# Altium PCB SAMW25_Xplained_Pro.PcbDoc (part 1 of 9) (continued)
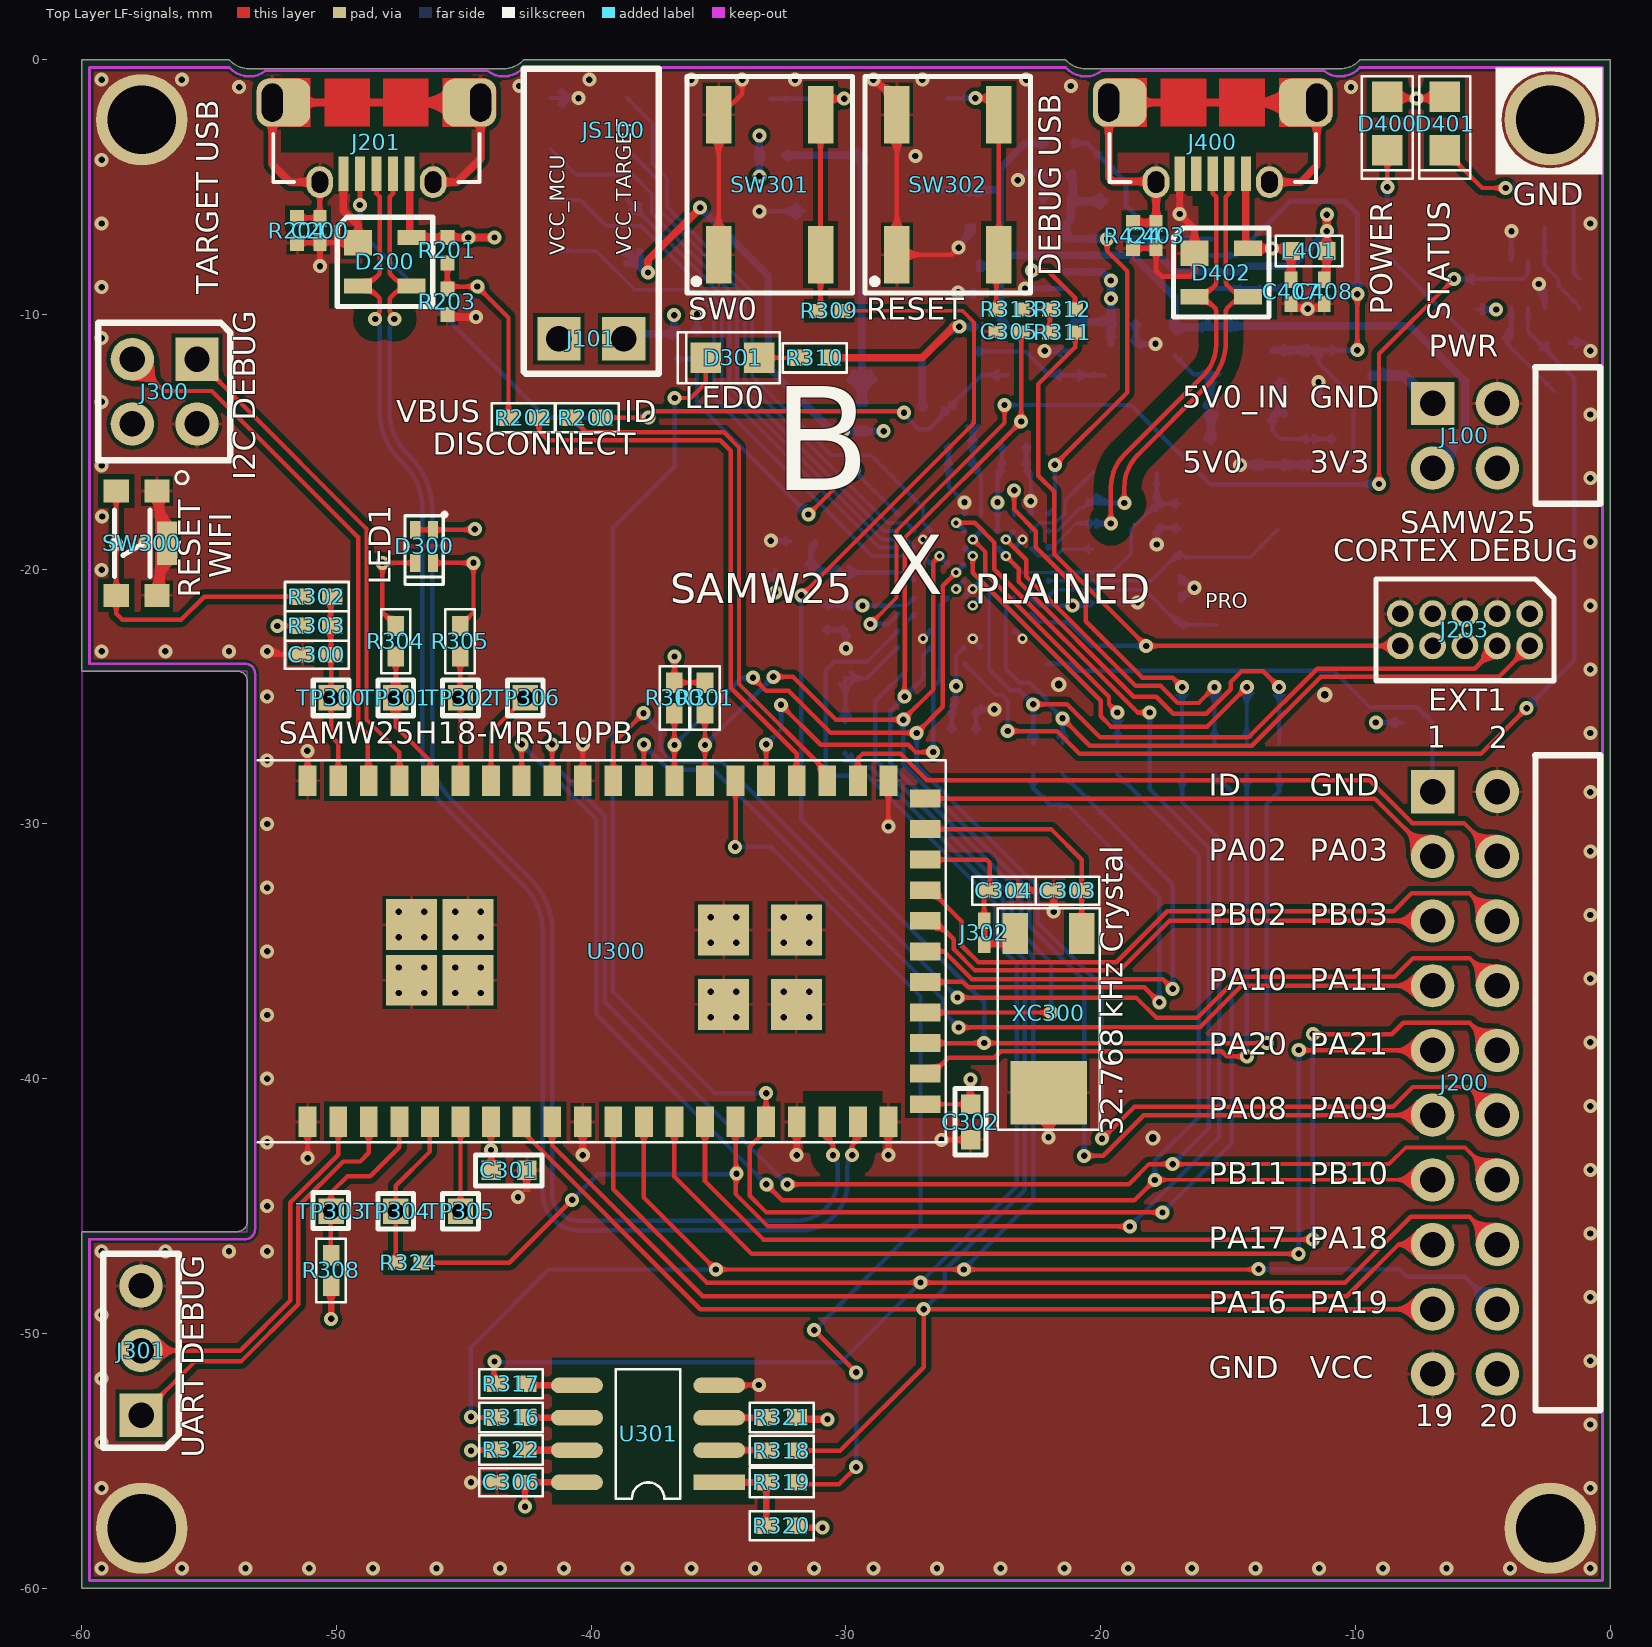
[diagram p0: Top Layer LF-signals view]
## Components (designator, comment, footprint, x,y, rotation, side; value= is the part's Value field where it differs from the comment)
C100 "CAP-NONPOL" AP1-00001 -24.85,-8.625 r270 bottom
C101 "CAP-NONPOL" AP1-00039 -24.975,-5.8 r270 bottom
C102 "CAP-NONPOL" AP1-00053 -21.7,-5.55 r180 bottom
C103 "CAP-NONPOL" AP1-00053 -19.125,-11.15 r0 bottom locked
C104 "CAP-NONPOL" AP1-00039 -28.7,-3.75 r0 bottom
C200 "CAP-NONPOL" AP1-00053 -50.65,-6.703 r90 top locked
C300 "4.7n" AP1-00001 -50.775,-23.35 r180 top
C301 "CAP-NONPOL" AP1-00039 -43.235,-43.6 r0 top
C302 "CAP-NONPOL" AP1-00039 -25.11,-41.7 r270 top
C303 "CAP-NONPOL" AP1-00001 -21.3,-32.615 r180 top
C304 "CAP-NONPOL" AP1-00001 -23.8,-32.615 r0 top
C305 "4.7n" AP1-00053 -23.6,-10.675 r180 top
C306 "100n" AP1-00001 -43.15,-55.85 r180 top
C400 "22p" AP1-00053 -16.9,-21.7 r90 bottom
C401 "22p" AP1-00053 -16.9,-19.8 r270 bottom
C402 "10p" AP1-00053 -17.8,-17.9 r270 bottom
C403 "CAP-NONPOL" AP1-00053 -17.825,-6.9 r90 top
C404 "100n" AP1-00053 -31.675,-18.9 r180 bottom
C405 "Farnell no: 1288200" AP1-00053 -25.5,-15.1 r180 bottom
C406 "1 nF C0G" AP1-00053 -25.5,-16 r180 bottom
C407 "1 nF C0G" AP1-00053 -12.525,-9.1 r270 top
C408 "1 nF C0G" AP1-00053 -11.225,-9.1 r270 top locked
C409 "Farnell no: 1288200" AP1-00053 -23.4,-15.1 r0 bottom
C410 "100n" AP1-00053 -23.4,-16 r0 bottom
C411 "100n" AP1-00053 -19.8,-21.3 r0 bottom
C412 "100n" AP1-00053 -25.375,-25.5 r0 bottom
C413 "100n" AP1-00053 -30,-21.9 r270 bottom
C414 "Farnell no: 1288200" AP1-00053 -30.875,-21.9 r270 bottom
C415 "Farnell no: 1288200" AP1-00053 -25.375,-26.4 r0 bottom
D200 "PRTR5V0U2X" AP4-00001 -49.15,-7.178 r0 top
D300 "LED2_2" AP4-00132 -46.563,-19.1 r270 top
D301 "Yellow" AP4-00013 -34.45,-11.7 r0 top
D400 "Green" AP4-00013 -8.75,-2.5 r90 top
D401 "Yellow" AP4-00013 -6.5,-2.5 r90 top
D402 "PRTR5V0U2X" AP4-00001 -16.316,-7.6 r0 top
E1 "RUBBER FEET" AP8-00192 -9,-4.5 r180 bottom
E2 "RUBBER FEET" AP8-00192 -51,-4.5 r180 bottom
E3 "RUBBER FEET" AP8-00192 -12,-55.5 r180 bottom
E4 "RUBBER FEET" AP8-00192 -48,-55.5 r180 bottom
J100 "HEADER 2x2" AP8-00628 -5.7,-14.76 r270 top locked
J101 "HEADER 1x2" AP8-00367 -40,-10.95 r0 top locked
J200 "HEADER 2x10" AP8-00622 -5.7,-40.16 r270 top locked
J201 "2,000 pieces per reel" AP8-00852 -48.434,-1.675 r180 top locked
J203 "HEADER 2x5" AP8-00257 -5.7,-22.375 r180 top
J300 "HEADER 2x2" AP8-00179 -56.75,-13.025 r270 top locked
J301 "Same as A08-1614 but with 1mm hole for optimal reflow soldering (no misalignment of the component)" AP8-00745 -57.675,-50.675 r90 top locked
J302 "SMD-STRAP_CLOSED" AP8-00595 -24.575,-34.265 r90 top net-tie
J400 "2,000 pieces per reel" AP8-00852 -15.6,-1.675 r180 top locked
JS100 "To be used by request from ESCATEC" AP8-00525 -39.111,-2.766 r0 top
L401 "BLM18PG471SN1" AP3-00005 -11.825,-7.5 r0 top locked
L402 "BLM18PG471SN1" AP3-00005 -32.075,-20 r0 bottom
LABEL1 "PCBA_LABEL" AP8-00317 -25.033,-57.267 r180 bottom
Q100 "MOSFET_P_GSD" AP5-00002 -10.4,-12.35 r0 bottom
Q101 "MOSFET_P_GSD" AP5-00002 -14.3,-11.4 r0 bottom
Q102 "MOSFET_N_GSD" AP5-00002 -14.3,-14.95 r180 bottom
Q400 "Same as 2N7002 but with two MOSFETs in one package" AP5-00001 -3.225,-8.8 r270 bottom
R101 "R2" AP2-00011 -21.7,-3.275 r180 bottom
R103 "R2" AP2-00011 -17.1,-11.1 r90 bottom
R104 "R2" AP2-00011 -10.8,-15.379 r270 bottom
R105 "R2" AP2-00011 -21.7,-4.425 r0 bottom
R106 "R2" AP2-00011 -19.125,-10.275 r180 bottom
R107 "R2" AP2-00011 -12.25,-8.975 r180 bottom
R108 "R2" AP2-00011 -11.775,-15.379 r90 bottom
R109 "R2" AP2-00011 -24.925,-10.975 r270 bottom
R110 "R2" AP2-00011 -26.475,-13.675 r180 bottom
R111 "R2" AP2-00011 -32.9,-3.75 r180 bottom
R112 "R2" AP2-00011 -36.725,-11.25 r90 bottom
R113 "R2" AP2-00011 -35.85,-11.25 r270 bottom
R200 "R2" AP2-00000 -40.175,-14.05 r180 top
R201 "R2" AP2-00011 -45.65,-7.475 r90 top
R202 "R2" AP2-00000 -42.65,-14.05 r0 top
R203 "R2" AP2-00011 -45.65,-9.5 r90 top
R204 "R2" AP2-00011 -51.55,-6.703 r90 top locked
R300 "R2" AP2-00000 -36.735,-25.05 r270 top
R301 "R2" AP2-00000 -35.535,-25.05 r270 top
R302 "R2" AP2-00000 -50.775,-21.075 r0 top
R303 "R2" AP2-00000 -50.775,-22.225 r180 top
R304 "R2" AP2-00000 -47.675,-22.825 r270 top
R305 "R2" AP2-00000 -45.15,-22.825 r270 top
R308 "R2" AP2-00000 -50.215,-47.525 r270 top
R309 "R2" AP2-00011 -30.65,-9.85 r0 top
R310 "R2" AP2-00000 -31.225,-11.7 r0 top
R311 "R2" AP2-00011 -21.5,-10.7 r180 top
R312 "R2" AP2-00011 -21.5,-9.8 r0 top
R313 "R2" AP2-00011 -23.6,-9.8 r0 top
R314 "R2" AP2-00000 -22.65,-27.435 r270 bottom
R315 "R2" AP2-00000 -21.5,-27.435 r270 bottom
R316 "R2" AP2-00000 -43.15,-53.3 r180 top
R317 "R2" AP2-00000 -43.15,-51.975 r180 top
R318 "R2" AP2-00000 -32.525,-54.6 r0 top
R319 "R2" AP2-00000 -32.525,-55.85 r0 top
R320 "R2" AP2-00000 -32.525,-57.55 r180 top
R321 "R2" AP2-00000 -32.525,-53.3 r180 top
R322 "R2" AP2-00000 -43.15,-54.575 r180 top
R324 "R2" AP2-00011 -47.175,-47.225 r180 top
R409 "R2" AP2-00000 -7.576,-26.017 r180 bottom
R410 "R2" AP2-00000 -5.2,-9.2 r270 bottom
R411 "R2" AP2-00000 -4.7,-11.1 r180 bottom
R412 "R2" AP2-00000 -1.2,-9.2 r90 bottom
R413 "R2" AP2-00000 -2.2,-11.1 r180 bottom
R414 "R2" AP2-00000 -19.345,-27.435 r90 bottom
R416 "R2" AP2-00000 -14.265,-27.435 r90 bottom
R417 "R2" AP2-00000 -12.995,-27.435 r90 bottom
R418 "R2" AP2-00000 -16.805,-27.435 r90 bottom
R419 "R2" AP2-00000 -15.535,-27.435 r90 bottom
R420 "R2" AP2-00000 -30.025,-26.6 r270 bottom
R421 "R2" AP2-00011 -20.3,-16.7 r90 bottom
R422 "R2" AP2-00011 -20.3,-18.7 r270 bottom
R423 "R2" AP2-00011 -16.9,-17.9 r90 bottom
R424 "R2" AP2-00011 -18.725,-6.9 r90 top
R425 "R2" AP2-00011 -29.375,-14.075 r90 bottom
SW300 "PUSHBUTTON2" AP8-00274 -57.05,-16.925 r270 top locked
SW301 "Can be ordered in low volumes from Mouser" AP8-00137 -33,-4.9 r90 top
SW302 "Can be ordered in low volumes from Mouser" AP8-00137 -26,-4.9 r90 top
TP300 "TESTPOINT" AP8-00256#1 -50.215,-25.05 r90 top locked
TP301 "TESTPOINT" AP8-00256#1 -47.675,-25.05 r90 top locked
TP302 "TESTPOINT" AP8-00256#1 -45.135,-25.05 r90 top locked
TP303 "TESTPOINT" AP8-00256#2 -50.225,-45.175 r90 top
TP304 "TESTPOINT" AP8-00256#1 -47.675,-45.2 r90 top
TP305 "TESTPOINT" AP8-00256#1 -45.135,-45.2 r90 top
TP306 "TESTPOINT" AP8-00256#1 -42.595,-25.05 r90 top locked
TP307 "TESTPOINT" AP8-00010 -33,-1.5 r270 bottom locked
TP308 "TESTPOINT" AP8-00010 -26,-1.5 r270 bottom locked
TP400 "TESTPOINT" AP8-00010 -41.6,-1.5 r270 bottom locked
TP401 "TESTPOINT" AP8-00010 -38.6,-1.5 r270 bottom locked
TP402 "TESTPOINT" AP8-00010 -41.6,-3.5 r270 bottom locked
TP403 "TESTPOINT" AP8-00010 -41.6,-5.5 r270 bottom locked
TP404 "TESTPOINT" AP8-00010 -38.6,-5.5 r270 bottom locked
TP405 "TESTPOINT" AP8-00010 -41.6,-7.5 r270 bottom locked
TP406 "TESTPOINT" AP8-00010 -38.6,-3.5 r270 bottom locked
TP407 "TESTPOINT" AP8-00010 -38.6,-7.5 r270 bottom locked
U100 "VOLTREG_SOT223_4" AP6-00399 -29.375,-8.85 r270 bottom
U101 "TPS2112" AP6-00054 -18.5,-8 r180 bottom
U102 "STMPS2161" AP6-00087 -22.45,-11.425 r180 bottom
U300 "MR210PA" AP9-00132 -39.735,-35 r90 top locked
U301 "AT25DF081A" AP8-00417 -34.975,-55.85 r90 top
U400 "100 ball VFBGA" AP6-00206 -25.025,-20.775 r90 bottom
XC300 "Farnell order no:1539364" AP7-00044 -22.046,-34.299 r180 top locked
XC400 "12.0MHz" AP7-00039 -14.25,-20.25 r90 bottom

## Footprints (in the part's own frame and the unit in brackets; to place one, negate y for a bottom-side part, rotate by r counter-clockwise, add the part's x,y. Pads: shape width x height; smd on the part's side, far side on the other; paste and mask are expansions set on the pad)
AP1-00001 [mm] "Standard 0402 SMD capacitor footprint"
  rect 0.9x0.6 smd: 1(-0.55,0) 2(0.55,0)
  silkscreen extent -1.25,-0.55 1.25,0.55, body extent -0.5,-0.3 0.5,0.3, height 0.2
AP1-00039 [mil] "Capacitor 0603 Hight 0.8mm"
  rect 30x30 smd: 1(-27.5,0) 2(27.5,0)
  silkscreen extent -52,-24 51,24, body extent -31,-16 32,16, height 12
AP1-00053 [mm] "Chip Capacitor, 2-Leads, Body 1.0x0.5mm, IPC High Density"
  rect 0.65x0.5 smd: 1(-0.475,0) 2(0.475,0)
  body extent -0.5,-0.3 0.5,0.3, height 0.2
AP2-00000 [mm] "Standard 0402 SMD resistor footprint"
  rect 0.8x0.65 smd: 1(-0.6,0) 2(0.6,0)
  silkscreen extent -1.25,-0.58 1.25,0.58, body extent -0.5,-0.3 0.5,0.3, height 0.2
AP2-00011 [mm] "Chip Resistor, 2-Leads, Body 1,0x0,5mm, IPC High Density"
  rect 0.6x0.55 smd: 1(-0.5,0) 2(0.5,0)
  body extent -0.5,-0.3 0.5,0.3, height 0.2
AP3-00005 [mm]
  rect 0.7x0.7 smd: 1(-0.7,0) 2(0.7,0)
  silkscreen extent -1.3,-0.6 1.3,0.6, body extent -0.83,-0.41 0.82,0.41, height 0.8
AP4-00001 [mm]
  rect 1.1x1 smd: 1(0,0)
  rect 1.1x0.6 smd: 2(0,-1.7) 3(2.1,-1.7) 4(2.1,0.2)
  silkscreen extent -0.82,-2.5 2.93,1, body extent -0.13,-2.2 2.23,0.7, height 1.21
AP4-00013 [mm] "0805 diode footprint"
  rect 1.2x1.2 smd: 1(-1.05,0) 2(1.05,0)
  silkscreen extent -2.16,-1 1.85,1, body extent -1,-0.63 1,0.63, height 1.1
AP4-00132 [mm] "LED, Bicolor, 1.6x0.8mm, diffused"
  rect 0.7x0.4 smd: 1(-0.65,0.35) 2(-0.65,-0.35) 3(0.65,0.35) 4(0.65,-0.35)
  silkscreen extent -1.3,-0.75 1.5,0.85, body extent -0.8,-0.4 0.8,0.4, height 0.5
AP5-00001 [mm]
  rect 0.85x0.35 smd: 1(-0.925,0.65) 2(-0.925,0) 3(-0.925,-0.65) 4(0.925,-0.65) 5(0.925,0) 6(0.925,0.65)
  silkscreen extent -1.6,-1.35 1.6,1.35, body extent -1.05,-1 1.05,1, height 0.95
AP5-00002 [mm] "SOT-23 Package"
  rect 1.3x0.6 smd: 1(-1.05,0.95) 2(-1.05,-0.95) 3(1.05,0)
  silkscreen extent -1.95,-1.78 1.95,1.78, body extent -1.25,-1.46 1.23,1.46, height 1
AP6-00054 [mm]
  rect 1.7x0.35 smd: 1(-2.85,0.975) 2(-2.85,0.325) 3(-2.85,-0.325) 4(-2.85,-0.975) 5(2.85,-0.975) 6(2.85,-0.325) 7(2.85,0.325) 8(2.85,0.975)
  silkscreen extent -2.98,1.58 -2.73,1.82, body extent -3.23,-1.55 3.23,1.55, height 1.25
AP6-00087 [mm]
  rect 1.05x0.65 smd: 1(-1.225,0.953) 2(-1.225,0) 3(-1.225,-0.953) 4(1.225,-0.953) 5(1.225,0.953)
  silkscreen extent -2,-1.75 2,1.75, body extent -1.5,-1.5 1.5,1.5, height 1.3
AP6-00206 [mm] "100 ball (10x10 array) VFBGA. Pitch 0.65 mm. Width: 7 mm. Length: 7mm. Height: 1 mm"
  round 0.28 smd: A1(-2.925,2.925) A2(-2.275,2.925) A3(-1.625,2.925) A4(-0.975,2.925) A5(-0.325,2.925) A6(0.325,2.925) A7(0.975,2.925) A8(1.625,2.925) A9(2.275,2.925) A10(2.925,2.925) B1(-2.925,2.275) B2(-2.275,2.275) B3(-1.625,2.275) B4(-0.975,2.275) B5(-0.325,2.275) B6(0.325,2.275) B7(0.975,2.275) B8(1.625,2.275) B9(2.275,2.275) B10(2.925,2.275) C1(-2.925,1.625) C2(-2.275,1.625) C3(-1.625,1.625) C4(-0.975,1.625) C5(-0.325,1.625) C6(0.325,1.625) C7(0.975,1.625) C8(1.625,1.625) C9(2.275,1.625) C10(2.925,1.625) D1(-2.925,0.975) D2(-2.275,0.975) D3(-1.625,0.975) D4(-0.975,0.975) D5(-0.325,0.975) D6(0.325,0.975) D7(0.975,0.975) D8(1.625,0.975) D9(2.275,0.975) D10(2.925,0.975) E1(-2.925,0.325) E2(-2.275,0.325) E3(-1.625,0.325) E4(-0.975,0.325) E5(-0.325,0.325) E6(0.325,0.325) E7(0.975,0.325) E8(1.625,0.325) E9(2.275,0.325) E10(2.925,0.325) F1(-2.925,-0.325) F2(-2.275,-0.325) F3(-1.625,-0.325) F4(-0.975,-0.325) F5(-0.325,-0.325) F6(0.325,-0.325) F7(0.975,-0.325) F8(1.625,-0.325) F9(2.275,-0.325) F10(2.925,-0.325) G1(-2.925,-0.975) G2(-2.275,-0.975) G3(-1.625,-0.975) G4(-0.975,-0.975) G5(-0.325,-0.975) G6(0.325,-0.975) G7(0.975,-0.975) G8(1.625,-0.975) G9(2.275,-0.975) G10(2.925,-0.975) H1(-2.925,-1.625) H2(-2.275,-1.625) H3(-1.625,-1.625) H4(-0.975,-1.625) H5(-0.325,-1.625) H6(0.325,-1.625) H7(0.975,-1.625) H8(1.625,-1.625) H9(2.275,-1.625) H10(2.925,-1.625) J1(-2.925,-2.275) J2(-2.275,-2.275) J3(-1.625,-2.275) J4(-0.975,-2.275) J5(-0.325,-2.275) J6(0.325,-2.275) J7(0.975,-2.275) J8(1.625,-2.275) J9(2.275,-2.275) J10(2.925,-2.275) K1(-2.925,-2.925) K2(-2.275,-2.925) K3(-1.625,-2.925) K4(-0.975,-2.925) K5(-0.325,-2.925) K6(0.325,-2.925) K7(0.975,-2.925) K8(1.625,-2.925) K9(2.275,-2.925) K10(2.925,-2.925)
  silkscreen extent -4.15,-4.15 4.15,4.15, body extent -3.5,-3.5 3.5,3.5, height 1.01
AP6-00399 [mm] "SOT223, 4-Leads, Body 6.7x7.3mm (max), Pitch 2.29mm, IPC Medium Density"
  rect 2.15x0.95 smd paste+0 mask+0.07: 1(-2.9,2.3)
  rect 2.15x0.95 smd mask+0.07: 2(-2.9,0) 3(-2.9,-2.3)
  rect 2.15x3.25 smd mask+0.07: 4(2.9,0)
  silkscreen extent -4.33,-3.6 4.33,3.6, body extent -3.45,-3.25 3.55,3.25, height 1.59
AP7-00039 [mm] "FOX FQ5032B"
  rect 1.6x1.3 smd: 1(-1.9,-1.15) 2(1.9,-1.15) 3(1.9,1.15) 4(-1.9,1.15)
  silkscreen extent -3,-2.1 3,2.1, body extent -2.7,-1.8 2.7,1.8, height 1.2
AP7-00044 [mm]
  rect 1x1.6 smd: 1(-1.3,0) 2(1.3,0)
  rect 3x2.5 smd: 3(0,6.25)
  silkscreen extent -2,-1 2,7.7, body extent -1.5,-0.7 1.5,7.4, height 2.08
AP8-00010 [mm] "Testpad 50mil"
  round 1.27 smd paste-0.635: 1(0,0)
AP8-00137 [mm]
  rect 2.25x1 smd: 1(-2.75,2) 2(2.75,2) 3(-2.75,-2) 4(2.75,-2)
  silkscreen extent -4.25,-3.25 4.25,3.25, body extent -3.4,-3.21 3.4,3.22, height 3.47
AP8-00179 [mm]
  rect 1.7x1.7 / inner round 1.7 / far side rect 1.7x1.7 hole 1: 1(-1.27,1.27)
  round 1.7 hole 1: 2(1.27,1.27) 3(-1.27,-1.27) 4(1.27,-1.27)
  silkscreen extent -2.7,-2.6 2.7,2.58, body extent -2.54,-2.54 2.54,2.54, height 9.42
AP8-00192 [mm]
  silkscreen extent -4,-4 3.83,4, body extent -3.97,-3.99 4,3.99, height 2.79
AP8-00256#1 [mm]
  rect 1x1 / inner round 1 / far side round 1 hole 0.65: 1(0,0)
  silkscreen extent -0.7,-0.7 0.7,0.7, body extent -0.5,-0.5 0.5,0.5, height 1.1
AP8-00256#2 [mm]
  rect 1x1 / inner round 1 / far side round 1 hole 0.65: 1(-0.025,-0.01)
  silkscreen extent -0.7,-0.7 0.7,0.7
AP8-00257 [mm]
  round 1.05 hole 0.65: 1(-2.54,-0.635) 2(-2.54,0.635) 3(-1.27,-0.635) 4(-1.27,0.635) 5(0,-0.635) 6(0,0.635) 7(1.27,-0.635) 8(1.27,0.635) 9(2.54,-0.635) 10(2.54,0.635)
  silkscreen extent -3.5,-2 3.5,2, body extent -3.15,-1.64 3.2,1.79, height 3.88
AP8-00274 [mm] "SMD 4.6X2.8 push button. KMR221G"
  rect 0.9x1 smd: 1(0,0) 2(0,-1.6) 3(4.1,0) 4(4.1,-1.6)
  rect 1.7x0.8 smd: 5(2.05,0.4)
  silkscreen extent -0.77,-1.68 3.35,1.22, body extent -0.25,-2.2 4.35,0.6, height 1.9
AP8-00317 [mm] "Placement area for 18x6mm sticker"
  silkscreen extent 0,0 18,6
AP8-00367 [mm] "1x2 pin header, right angle, 2.54 mm pitch, through-hole"
  rect 1.7x1.7 / inner round 1.7 / far side round 1.7 hole 1: 1(-1.27,0) 2(1.27,0)
  silkscreen extent -2.65,-1.38 2.66,10.6, body extent -2.54,-0.33 2.54,9.99, height 2.55
AP8-00417 [mil]
  rect 24x80 smd: 1(0,0)
  oval 24x80 smd: 2(50,0) 3(100,0) 4(150,0) 5(150,220) 6(100,220) 7(50,220) 8(0,220)
  silkscreen extent -25,60 175,160, body extent -22,-6 171,222, height 57
AP8-00525 [mm] "Jumper 2.54mm, 3D"
  body extent -2.93,-4.07 2.05,1.9, height 2.52
AP8-00595 [mm]
  rect 0.65x0.5 smd: 1(-0.475,0) 2(0.475,0)
  Top Layer LF-signals lines w0.254: -0.175,0 0.2,0
AP8-00622 [mm] "2x10 Right angle 2.54mm THM"
  rect 1.7x1.7 / inner round 1.7 / far side rect 1.7x1.7 hole 1: 1(-11.43,-1.27)
  rect 2.1x2.1 on Top Paste: 1(-11.43,-1.27) 2(-11.43,1.27) 3(-8.89,-1.27) 4(-8.89,1.27) 5(-6.35,-1.27) 6(-6.35,1.27) 7(-3.81,-1.27) 8(-3.81,1.27) 9(-1.27,-1.27) 10(-1.27,1.27) 11(1.27,-1.27) 12(1.27,1.27) 13(3.81,-1.27) 14(3.81,1.27) 15(6.35,-1.27) 16(6.35,1.27) 17(8.89,-1.27) 18(8.89,1.27) 19(11.43,-1.27) 20(11.43,1.27)
  round 1.7 hole 1: 2(-11.43,1.27) 3(-8.89,-1.27) 4(-8.89,1.27) 5(-6.35,-1.27) 6(-6.35,1.27) 7(-3.81,-1.27) 8(-3.81,1.27) 9(-1.27,-1.27) 10(-1.27,1.27) 11(1.27,-1.27) 12(1.27,1.27) 13(3.81,-1.27) 14(3.81,1.27) 15(6.35,-1.27) 16(6.35,1.27) 17(8.89,-1.27) 18(8.89,1.27) 19(11.43,-1.27) 20(11.43,1.27)
  silkscreen extent -12.85,2.77 12.85,5.31, body extent -12.7,-1.59 12.7,11.29, height 5
AP8-00628 [mm] "2x2 Right angle 2.54mm THM"
  rect 1.7x1.7 / inner round 1.7 / far side rect 1.7x1.7 hole 1: 1(-1.27,-1.27)
  rect 2.1x2.1 on Top Paste: 1(-1.27,-1.27) 2(-1.27,1.27) 3(1.27,-1.27) 4(1.27,1.27)
  round 1.7 hole 1: 2(-1.27,1.27) 3(1.27,-1.27) 4(1.27,1.27)
  silkscreen extent -2.69,2.77 2.67,5.31, body extent -2.54,-1.52 2.54,11.36, height 5
AP8-00745 [mm] "THM Pin-header 1x3 100mil pitch, 1mm hole"
  rect 1.7x1.7 / inner round 1.7 / far side rect 1.7x1.7 hole 1: 1(-2.54,0)
  round 1.7 hole 1: 2(0,0) 3(2.54,0)
  silkscreen extent -3.81,-1.48 3.81,1.48, body extent -3.81,-1.27 3.81,1.27, height 8.38
AP8-00852 [mm] "Hirose, ZX Series, USB Micro-AB Recept-RA"
  rect 0.4x1.35 smd: 1(-1.3,2.8) 2(-0.65,2.8) 3(0,2.8) 4(0.65,2.8) 5(1.3,2.8)
  rrect52% 2.1x1.9 hole 0.825 slot 1.5 at 90 deg copper offset 0.437,0: 6(-4.088,0)
  rrect52% 2.1x1.9 on Top Paste: 6(-3.6,0) 7(3.6,0)
  rrect52% 2.1x1.9 hole 0.825 slot 1.5 at 90 deg copper offset -0.437,0: 7(4.088,0)
  rrect100% 1.05x1.25 hole 0.65 slot 0.85 at 90 deg: 8(-2.225,3.125) 9(2.225,3.125)
  rrect100% 1.05x1.25 on Top Paste: 8(-2.225,3.125) 9(2.225,3.125)
  Top Layer LF-signals region: -2.05,-0.95 -0.25,-0.95 -0.25,0.95 -2.05,0.95
  Top Layer LF-signals region: 0.25,-0.95 2.05,-0.95 2.05,0.95 0.25,0.95
  Top Layer LF-signals pour cut-out: -3.75,1.975 3.75,1.975 3.75,-1.325 -3.75,-1.325
  Top Layer LF-signals region: -2.6,0.95 -4.2,0.95 -4.294,0.941 -4.381,0.915 -4.434,0.891 -4.48,0.862 -4.52,0.832 -4.565,0.791 -4.596,0.753 -4.622,0.716 -4.647,0.673 -4.66,0.64 -4.676,0.6 -4.688,0.55 -4.696,0.505 -4.7,0.45 -4.7,-0.45 -4.696,-0.503 -4.689,-0.548 -4.677,-0.599 -4.661,-0.641 -4.641,-0.683 -4.617,-0.724 -4.589,-0.761 -4.56,-0.797 -4.521,-0.831 -4.483,-0.86 -4.439,-0.888 -4.397,-0.908 -4.354,-0.924 -4.301,-0.939 -4.248,-0.946 -4.2,-0.95 -2.6,-0.95
  Top Layer LF-signals region: 2.6,-0.95 4.2,-0.95 4.294,-0.941 4.381,-0.915 4.434,-0.891 4.48,-0.862 4.52,-0.832 4.565,-0.791 4.596,-0.753 4.622,-0.716 4.647,-0.673 4.66,-0.64 4.676,-0.6 4.688,-0.55 4.696,-0.505 4.7,-0.45 4.7,0.45 4.696,0.503 4.689,0.548 4.677,0.599 4.661,0.641 4.641,0.683 4.617,0.724 4.589,0.761 4.56,0.797 4.521,0.831 4.483,0.86 4.439,0.888 4.397,0.908 4.354,0.924 4.301,0.939 4.248,0.946 4.2,0.95 2.6,0.95
  Bottom Layer LF-signals region: 2.6,-0.95 4.2,-0.95 4.294,-0.941 4.381,-0.915 4.434,-0.891 4.48,-0.862 4.52,-0.832 4.565,-0.791 4.596,-0.753 4.622,-0.716 4.647,-0.673 4.66,-0.64 4.676,-0.6 4.688,-0.55 4.696,-0.505 4.7,-0.45 4.7,0.45 4.696,0.503 4.689,0.548 4.677,0.599 4.661,0.641 4.641,0.683 4.617,0.724 4.589,0.761 4.56,0.797 4.521,0.831 4.483,0.86 4.439,0.888 4.397,0.908 4.354,0.924 4.301,0.939 4.248,0.946 4.2,0.95 2.6,0.95
  Bottom Layer LF-signals region: -2.6,0.95 -4.2,0.95 -4.294,0.941 -4.381,0.915 -4.434,0.891 -4.48,0.862 -4.52,0.832 -4.565,0.791 -4.596,0.753 -4.622,0.716 -4.647,0.673 -4.66,0.64 -4.676,0.6 -4.688,0.55 -4.696,0.505 -4.7,0.45 -4.7,-0.45 -4.696,-0.503 -4.689,-0.548 -4.677,-0.599 -4.661,-0.641 -4.641,-0.683 -4.617,-0.724 -4.589,-0.761 -4.56,-0.797 -4.521,-0.831 -4.483,-0.86 -4.439,-0.888 -4.397,-0.908 -4.354,-0.924 -4.301,-0.939 -4.248,-0.946 -4.2,-0.95 -2.6,-0.95
  silkscreen extent -4.05,1.22 4.05,3.13, body extent -4.32,-2.65 4.33,3.25, height 2.78
AP9-00132 [mm] "SAMW25-MR210PA module footprint"
  rect 2x2 smd mask+0.05: 0(-2.082,-7.786) 0(-2.082,-4.931) 0(-1.134,5.107) 0(-1.134,7.325) 0(0.842,-4.931) 0(0.842,-7.786) 0(1.048,5.107) 0(1.048,7.325)
  rect 1.2x0.7 smd mask+0.05: 1(-6.696,11.4) 2(-6.696,10.2) 3(-6.696,9) 4(-6.696,7.8) 5(-6.696,6.6) 6(-6.696,5.4) 7(-6.696,4.2) 8(-6.696,3) 9(-6.696,1.8) 10(-6.696,0.6) 11(-6.696,-0.6) 12(-6.696,-1.8) 13(-6.696,-3) 14(-6.696,-4.2) 15(-6.696,-5.4) 16(-6.696,-6.6) 17(-6.696,-7.8) 18(-6.696,-9) 19(-6.696,-10.2) 20(-6.696,-11.4) 32(6.704,-11.4) 33(6.704,-10.2) 34(6.704,-9) 35(6.704,-7.8) 36(6.704,-6.6) 37(6.704,-5.4) 38(6.704,-4.2) 39(6.704,-3) 40(6.704,-1.8) 41(6.704,-0.6) 42(6.704,0.6) 43(6.704,1.8) 44(6.704,3) 45(6.704,4.2) 46(6.704,5.4) 47(6.704,6.6) 48(6.704,7.8) 49(6.704,9) 50(6.704,10.2) 51(6.704,11.4)
  rect 0.7x1.2 smd mask+0.05: 21(-6,-12.841) 22(-4.8,-12.841) 23(-3.6,-12.841) 24(-2.4,-12.841) 25(-1.2,-12.841) 26(0,-12.841) 27(1.2,-12.841) 28(2.4,-12.841) 29(3.6,-12.841) 30(4.8,-12.841) 31(6,-12.841)
  Keep-Out Layer region: -11,13.775 11,13.775 11,20.275 -11,20.275